# EAGLE board Mk4 Final Panel 6up 3x2 (EAGLE 9.0.1), part 17 of 18 (continued)
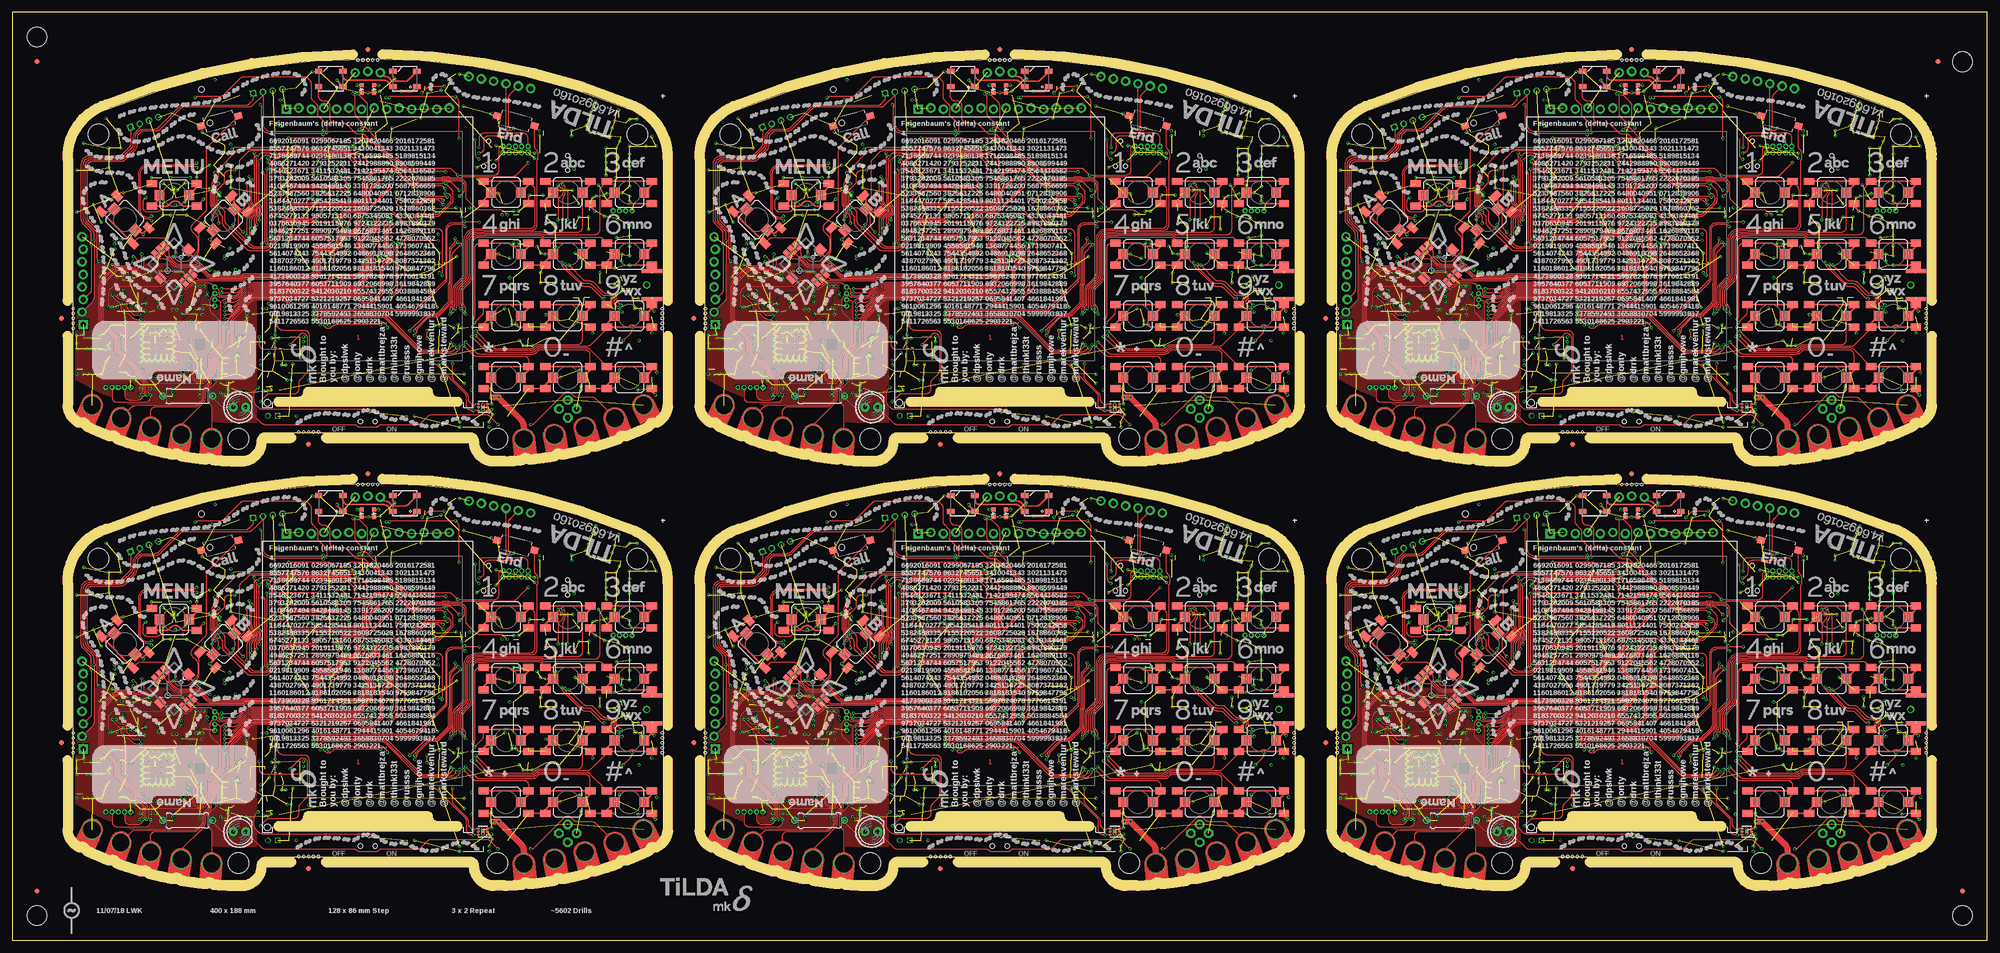
[diagram p0: board, top side]
## Tracks (layer width: path | path; a pad name or v marks a point on that pad's centre or on a via) (continued)
VBUS  (via drill 0.3)  (3 unrouted)
  Top 0.2: v89.75,84.95 76.55,84.95 v76.35,84.75
  Top 0.22: v90.5,76.5 90.5,83.79 arc45 90.21,84.49 v89.75,84.95
  3V3@2 0.2: v57.5,40.75 52.75,40.75 v51.5,42
  3V3@2 0.75: 51,42 51,43.5 54.25,46.75 v54.25,79 v53.75,79.5 | v51.5,42 51,42 | 51,42 v50.75,42 | v54.25,84.25 75.25,84.25 v75.75,84.75 v76.35,84.75
  Bottom 0.15: v89.75,84.95 89.7,85 IC7.5
  Bottom 0.2: LED6.A v57.5,40.75
  Bottom 0.22: IC1.96 78.2,73.5 arc-90 79.2,74.5 89.5,74.5 arc90 90.5,75.5 v90.5,76.5
  Bottom 0.5: TP7.TP v75.75,84.75
  Bottom 0.75: L2.2 v75.75,84.75 | v54.25,79 53.79,79.46 arc-45 53.5,80.16 53.5,83.09 arc-45 53.79,83.79 v54.25,84.25 v55,84.25
  pour Bottom (no thermals): 52.05,37.7 52.05,41.95 51.65,42.35 50.65,42.35 50.25,41.95 50.25,37.8 50.85,37.2 51.6,37.2 51.6,37.7
VBUS1  (via drill 0.3)  (3 unrouted)
  Top 0.2: v217.75,84.95 204.55,84.95 v204.35,84.75
  Top 0.22: v218.5,76.5 218.5,83.79 arc45 218.21,84.49 v217.75,84.95
  3V3@2 0.2: v185.5,40.75 180.75,40.75 v179.5,42
  3V3@2 0.75: 179,42 179,43.5 182.25,46.75 v182.25,79 v181.75,79.5 | v179.5,42 179,42 | 179,42 v178.75,42 | v182.25,84.25 203.25,84.25 v203.75,84.75 v204.35,84.75
  Bottom 0.15: v217.75,84.95 217.7,85 IC23.5
  Bottom 0.2: LED12.A v185.5,40.75
  Bottom 0.22: IC20.96 206.2,73.5 arc-90 207.2,74.5 217.5,74.5 arc90 218.5,75.5 v218.5,76.5
  Bottom 0.5: TP26.TP v203.75,84.75
  Bottom 0.75: L10.2 v203.75,84.75 | v182.25,79 181.79,79.46 arc-45 181.5,80.16 181.5,83.09 arc-45 181.79,83.79 v182.25,84.25 v183,84.25
  pour Bottom (no thermals): 180.05,37.7 180.05,41.95 179.65,42.35 178.65,42.35 178.25,41.95 178.25,37.8 178.85,37.2 179.6,37.2 179.6,37.7
VBUS2  (via drill 0.3)  (3 unrouted)
  Top 0.2: v89.75,170.95 76.55,170.95 v76.35,170.75
  Top 0.22: v90.5,162.5 90.5,169.79 arc45 90.21,170.49 v89.75,170.95
  3V3@2 0.2: v57.5,126.75 52.75,126.75 v51.5,128
  3V3@2 0.75: 51,128 51,129.5 54.25,132.75 v54.25,165 v53.75,165.5 | v51.5,128 51,128 | 51,128 v50.75,128 | v54.25,170.25 75.25,170.25 v75.75,170.75 v76.35,170.75
  Bottom 0.15: v89.75,170.95 89.7,171 IC41.5
  Bottom 0.2: LED18.A v57.5,126.75
  Bottom 0.22: IC38.96 78.2,159.5 arc-90 79.2,160.5 89.5,160.5 arc90 90.5,161.5 v90.5,162.5
  Bottom 0.5: TP45.TP v75.75,170.75
  Bottom 0.75: L19.2 v75.75,170.75 | v54.25,165 53.79,165.46 arc-45 53.5,166.16 53.5,169.09 arc-45 53.79,169.79 v54.25,170.25 v55,170.25
  pour Bottom (no thermals): 52.05,123.7 52.05,127.95 51.65,128.35 50.65,128.35 50.25,127.95 50.25,123.8 50.85,123.2 51.6,123.2 51.6,123.7
VBUS3  (via drill 0.3)  (3 unrouted)
  Top 0.2: v217.75,170.95 204.55,170.95 v204.35,170.75
  Top 0.22: v218.5,162.5 218.5,169.79 arc45 218.21,170.49 v217.75,170.95
  3V3@2 0.2: v185.5,126.75 180.75,126.75 v179.5,128
  3V3@2 0.75: 179,128 179,129.5 182.25,132.75 v182.25,165 v181.75,165.5 | v179.5,128 179,128 | 179,128 v178.75,128 | v182.25,170.25 203.25,170.25 v203.75,170.75 v204.35,170.75
  Bottom 0.15: v217.75,170.95 217.7,171 IC59.5
  Bottom 0.2: LED24.A v185.5,126.75
  Bottom 0.22: IC56.96 206.2,159.5 arc-90 207.2,160.5 217.5,160.5 arc90 218.5,161.5 v218.5,162.5
  Bottom 0.5: TP64.TP v203.75,170.75
  Bottom 0.75: L28.2 v203.75,170.75 | v182.25,165 181.79,165.46 arc-45 181.5,166.16 181.5,169.09 arc-45 181.79,169.79 v182.25,170.25 v183,170.25
  pour Bottom (no thermals): 180.05,123.7 180.05,127.95 179.65,128.35 178.65,128.35 178.25,127.95 178.25,123.8 178.85,123.2 179.6,123.2 179.6,123.7
VBUS4  (via drill 0.3)  (3 unrouted)
  Top 0.2: v345.75,84.95 332.55,84.95 v332.35,84.75
  Top 0.22: v346.5,76.5 346.5,83.79 arc45 346.21,84.49 v345.75,84.95
  3V3@2 0.2: v313.5,40.75 308.75,40.75 v307.5,42
  3V3@2 0.75: 307,42 307,43.5 310.25,46.75 v310.25,79 v309.75,79.5 | v307.5,42 307,42 | 307,42 v306.75,42 | v310.25,84.25 331.25,84.25 v331.75,84.75 v332.35,84.75
  Bottom 0.15: v345.75,84.95 345.7,85 IC77.5
  Bottom 0.2: LED30.A v313.5,40.75
  Bottom 0.22: IC74.96 334.2,73.5 arc-90 335.2,74.5 345.5,74.5 arc90 346.5,75.5 v346.5,76.5
  Bottom 0.5: TP83.TP v331.75,84.75
  Bottom 0.75: L37.2 v331.75,84.75 | v310.25,79 309.79,79.46 arc-45 309.5,80.16 309.5,83.09 arc-45 309.79,83.79 v310.25,84.25 v311,84.25
  pour Bottom (no thermals): 308.05,37.7 308.05,41.95 307.65,42.35 306.65,42.35 306.25,41.95 306.25,37.8 306.85,37.2 307.6,37.2 307.6,37.7
VBUS6  (via drill 0.3)  (3 unrouted)
  Top 0.2: v345.75,170.95 332.55,170.95 v332.35,170.75
  Top 0.22: v346.5,162.5 346.5,169.79 arc45 346.21,170.49 v345.75,170.95
  3V3@2 0.2: v313.5,126.75 308.75,126.75 v307.5,128
  3V3@2 0.75: 307,128 307,129.5 310.25,132.75 v310.25,165 v309.75,165.5 | v307.5,128 307,128 | 307,128 v306.75,128 | v310.25,170.25 331.25,170.25 v331.75,170.75 v332.35,170.75
  Bottom 0.15: v345.75,170.95 345.7,171 IC113.5
  Bottom 0.2: LED42.A v313.5,126.75
  Bottom 0.22: IC110.96 334.2,159.5 arc-90 335.2,160.5 345.5,160.5 arc90 346.5,161.5 v346.5,162.5
  Bottom 0.5: TP121.TP v331.75,170.75
  Bottom 0.75: L55.2 v331.75,170.75 | v310.25,165 309.79,165.46 arc-45 309.5,166.16 309.5,169.09 arc-45 309.79,169.79 v310.25,170.25 v311,170.25
  pour Bottom (no thermals): 308.05,123.7 308.05,127.95 307.65,128.35 306.65,128.35 306.25,127.95 306.25,123.8 306.85,123.2 307.6,123.2 307.6,123.7
VBUS_L
  Bottom 0.4: U1.VBUS arc-47 L2.1
VBUS_L1
  Bottom 0.4: U2.VBUS arc-47 L10.1
VBUS_L2
  Bottom 0.4: U7.VBUS arc-47 L19.1
VBUS_L3
  Bottom 0.4: U10.VBUS arc-47 L28.1
VBUS_L4
  Bottom 0.4: U13.VBUS arc-47 L37.1
VBUS_L6
  Bottom 0.4: U19.VBUS arc-47 L55.1
VDD_ANA  (via drill 0.3)  (3 unrouted)
  Bottom 0.2: IC15.48 34.55,38.95
  Bottom 0.25: C44.1 26.1,41.4 26.96,40.54 arc-45 27.25,39.84 IC15.36 | IC15.25 24.91,34.75 arc-45 24.21,35.04 C62.1 v24,36
  Bottom 0.4: 34.55,38.95 arc45 35.03,38.75 C61.1 v36.25,39.5 | C44.1 v25.35,41.75
  Bottom 0.5: C63.1 23.45,45.6 v22.6,45.6 | C63.1 23.5,44.85 v22.6,44.85 | C63.1 L7.1
  pour 3V3@2 (rank 2, no thermals): 36.75,39.75 36.75,39 36.25,38.5 34.5,38.5 33.75,39.5 26.5,39.5 24.5,37.5 24.5,36 24,35.5 23.75,35.5 23.5,35.75 23.5,36.5 23.75,36.75 23.75,39.5 23.25,40 22.5,40 22,40.5 22,44.3 21.7,44.6 21.7,45.5 22.2,46 22.8,46 23.25,45.55 23.25,42.25 23.5,42 25,42 25.25,42.25 27.65,42.25 29.65,40.25 36.25,40.25
VDD_ANA1  (via drill 0.3)  (3 unrouted)
  Bottom 0.2: IC29.48 162.55,38.95
  Bottom 0.25: C190.1 154.1,41.4 154.96,40.54 arc-45 155.25,39.84 IC29.36 | IC29.25 152.91,34.75 arc-45 152.21,35.04 C188.1 v152,36
  Bottom 0.4: 162.55,38.95 arc45 163.03,38.75 C191.1 v164.25,39.5 | C190.1 v153.35,41.75
  Bottom 0.5: C189.1 151.45,45.6 v150.6,45.6 | C189.1 151.5,44.85 v150.6,44.85 | C189.1 L16.1
  pour 3V3@2 (rank 2, no thermals): 164.75,39.75 164.75,39 164.25,38.5 162.5,38.5 161.75,39.5 154.5,39.5 152.5,37.5 152.5,36 152,35.5 151.75,35.5 151.5,35.75 151.5,36.5 151.75,36.75 151.75,39.5 151.25,40 150.5,40 150,40.5 150,44.3 149.7,44.6 149.7,45.5 150.2,46 150.8,46 151.25,45.55 151.25,42.25 151.5,42 153,42 153.25,42.25 155.65,42.25 157.65,40.25 164.25,40.25
VDD_ANA2  (via drill 0.3)  (3 unrouted)
  Bottom 0.2: IC47.48 34.55,124.95
  Bottom 0.25: C298.1 26.1,127.4 26.96,126.54 arc-45 27.25,125.84 IC47.36 | IC47.25 24.91,120.75 arc-45 24.21,121.04 C296.1 v24,122
  Bottom 0.4: 34.55,124.95 arc45 35.03,124.75 C299.1 v36.25,125.5 | C298.1 v25.35,127.75
  Bottom 0.5: C297.1 23.45,131.6 v22.6,131.6 | C297.1 23.5,130.85 v22.6,130.85 | C297.1 L25.1
  pour 3V3@2 (rank 2, no thermals): 36.75,125.75 36.75,125 36.25,124.5 34.5,124.5 33.75,125.5 26.5,125.5 24.5,123.5 24.5,122 24,121.5 23.75,121.5 23.5,121.75 23.5,122.5 23.75,122.75 23.75,125.5 23.25,126 22.5,126 22,126.5 22,130.3 21.7,130.6 21.7,131.5 22.2,132 22.8,132 23.25,131.55 23.25,128.25 23.5,128 25,128 25.25,128.25 27.65,128.25 29.65,126.25 36.25,126.25
VDD_ANA3  (via drill 0.3)  (3 unrouted)
  Bottom 0.2: IC65.48 162.55,124.95
  Bottom 0.25: C406.1 154.1,127.4 154.96,126.54 arc-45 155.25,125.84 IC65.36 | IC65.25 152.91,120.75 arc-45 152.21,121.04 C404.1 v152,122
  Bottom 0.4: 162.55,124.95 arc45 163.03,124.75 C407.1 v164.25,125.5 | C406.1 v153.35,127.75
  Bottom 0.5: C405.1 151.45,131.6 v150.6,131.6 | C405.1 151.5,130.85 v150.6,130.85 | C405.1 L34.1
  pour 3V3@2 (rank 2, no thermals): 164.75,125.75 164.75,125 164.25,124.5 162.5,124.5 161.75,125.5 154.5,125.5 152.5,123.5 152.5,122 152,121.5 151.75,121.5 151.5,121.75 151.5,122.5 151.75,122.75 151.75,125.5 151.25,126 150.5,126 150,126.5 150,130.3 149.7,130.6 149.7,131.5 150.2,132 150.8,132 151.25,131.55 151.25,128.25 151.5,128 153,128 153.25,128.25 155.65,128.25 157.65,126.25 164.25,126.25
VDD_ANA4  (via drill 0.3)  (3 unrouted)
  Bottom 0.2: IC83.48 290.55,38.95
  Bottom 0.25: C514.1 282.1,41.4 282.96,40.54 arc-45 283.25,39.84 IC83.36 | IC83.25 280.91,34.75 arc-45 280.21,35.04 C512.1 v280,36
  Bottom 0.4: 290.55,38.95 arc45 291.03,38.75 C515.1 v292.25,39.5 | C514.1 v281.35,41.75
  Bottom 0.5: C513.1 279.45,45.6 v278.6,45.6 | C513.1 279.5,44.85 v278.6,44.85 | C513.1 L43.1
  pour 3V3@2 (rank 2, no thermals): 292.75,39.75 292.75,39 292.25,38.5 290.5,38.5 289.75,39.5 282.5,39.5 280.5,37.5 280.5,36 280,35.5 279.75,35.5 279.5,35.75 279.5,36.5 279.75,36.75 279.75,39.5 279.25,40 278.5,40 278,40.5 278,44.3 277.7,44.6 277.7,45.5 278.2,46 278.8,46 279.25,45.55 279.25,42.25 279.5,42 281,42 281.25,42.25 283.65,42.25 285.65,40.25 292.25,40.25
VDD_ANA6  (via drill 0.3)  (3 unrouted)
  Bottom 0.2: IC119.48 290.55,124.95
  Bottom 0.25: C730.1 282.1,127.4 282.96,126.54 arc-45 283.25,125.84 IC119.36 | IC119.25 280.91,120.75 arc-45 280.21,121.04 C728.1 v280,122
  Bottom 0.4: 290.55,124.95 arc45 291.03,124.75 C731.1 v292.25,125.5 | C730.1 v281.35,127.75
  Bottom 0.5: C729.1 279.45,131.6 v278.6,131.6 | C729.1 279.5,130.85 v278.6,130.85 | C729.1 L61.1
  pour 3V3@2 (rank 2, no thermals): 292.75,125.75 292.75,125 292.25,124.5 290.5,124.5 289.75,125.5 282.5,125.5 280.5,123.5 280.5,122 280,121.5 279.75,121.5 279.5,121.75 279.5,122.5 279.75,122.75 279.75,125.5 279.25,126 278.5,126 278,126.5 278,130.3 277.7,130.6 277.7,131.5 278.2,132 278.8,132 279.25,131.55 279.25,128.25 279.5,128 281,128 281.25,128.25 283.65,128.25 285.65,126.25 292.25,126.25
VDD_DIG_CC  (via drill 0.3)
  3V3@2 0.5: v29,28.25 29,29 29.5,29.5 33.5,29.5 34.75,30.75 v35.75,30.75
  3V3@2 1: v35.75,30.75 36.25,30.75 37.3,31.8 37.3,32.6 37.8,33.1 39.17,33.1 39.55,33.48 39.55,37.45 39.5,37.5 v39.5,44.5 v39.5,45.25
  Bottom 0.25: C96.1 v35.75,30.75 35.23,31.27 arc-45 35.17,31.41 35.17,31.86 arc45 35.12,32 35.06,32.06 arc-45 35,32.2 35,33.75 arc90 34,34.75 IC15.56 | IC15.9 29.25,28.85 arc-45 v29,28.25 C97.1
  Bottom 0.4: C87.1 38.25,45 38.05,45.2 36.1,45.2 L9.1 | v39.5,45.25 38.6,45.25 C87.1 | v39.5,44.5 38.65,44.5 C87.1
VDD_DIG_CC1  (via drill 0.3)
  3V3@2 0.5: v157,28.25 157,29 157.5,29.5 161.5,29.5 162.75,30.75 v163.75,30.75
  3V3@2 1: v163.75,30.75 164.25,30.75 165.3,31.8 165.3,32.6 165.8,33.1 167.17,33.1 167.55,33.48 167.55,37.45 167.5,37.5 v167.5,44.5 v167.5,45.25
  Bottom 0.25: C204.1 v163.75,30.75 163.23,31.27 arc-45 163.18,31.41 163.18,31.86 arc45 163.12,32 163.06,32.06 arc-45 163,32.2 163,33.75 arc90 162,34.75 IC29.56 | IC29.9 157.25,28.85 arc-45 v157,28.25 C205.1
  Bottom 0.4: C195.1 166.25,45 166.05,45.2 164.1,45.2 L18.1 | v167.5,45.25 166.6,45.25 C195.1 | v167.5,44.5 166.65,44.5 C195.1
VDD_DIG_CC2  (via drill 0.3)
  3V3@2 0.5: v29,114.25 29,115 29.5,115.5 33.5,115.5 34.75,116.75 v35.75,116.75
  3V3@2 1: v35.75,116.75 36.25,116.75 37.3,117.8 37.3,118.6 37.8,119.1 39.17,119.1 39.55,119.48 39.55,123.45 39.5,123.5 v39.5,130.5 v39.5,131.25
  Bottom 0.25: C312.1 v35.75,116.75 35.23,117.27 arc-45 35.17,117.41 35.17,117.86 arc45 35.12,118 35.06,118.06 arc-45 35,118.2 35,119.75 arc90 34,120.75 IC47.56 | IC47.9 29.25,114.85 arc-45 v29,114.25 C313.1
  Bottom 0.4: C303.1 38.25,131 38.05,131.2 36.1,131.2 L27.1 | v39.5,131.25 38.6,131.25 C303.1 | v39.5,130.5 38.65,130.5 C303.1
VDD_DIG_CC3  (via drill 0.3)
  3V3@2 0.5: v157,114.25 157,115 157.5,115.5 161.5,115.5 162.75,116.75 v163.75,116.75
  3V3@2 1: v163.75,116.75 164.25,116.75 165.3,117.8 165.3,118.6 165.8,119.1 167.17,119.1 167.55,119.48 167.55,123.45 167.5,123.5 v167.5,130.5 v167.5,131.25
  Bottom 0.25: C420.1 v163.75,116.75 163.23,117.27 arc-45 163.18,117.41 163.18,117.86 arc45 163.12,118 163.06,118.06 arc-45 163,118.2 163,119.75 arc90 162,120.75 IC65.56 | IC65.9 157.25,114.85 arc-45 v157,114.25 C421.1
  Bottom 0.4: C411.1 166.25,131 166.05,131.2 164.1,131.2 L36.1 | v167.5,131.25 166.6,131.25 C411.1 | v167.5,130.5 166.65,130.5 C411.1
VDD_DIG_CC4  (via drill 0.3)
  3V3@2 0.5: v285,28.25 285,29 285.5,29.5 289.5,29.5 290.75,30.75 v291.75,30.75
  3V3@2 1: v291.75,30.75 292.25,30.75 293.3,31.8 293.3,32.6 293.8,33.1 295.17,33.1 295.55,33.48 295.55,37.45 295.5,37.5 v295.5,44.5 v295.5,45.25
  Bottom 0.25: C528.1 v291.75,30.75 291.23,31.27 arc-45 291.18,31.41 291.18,31.86 arc45 291.12,32 291.06,32.06 arc-45 291,32.2 291,33.75 arc90 290,34.75 IC83.56 | IC83.9 285.25,28.85 arc-45 v285,28.25 C529.1
  Bottom 0.4: C519.1 294.25,45 294.05,45.2 292.1,45.2 L45.1 | v295.5,45.25 294.6,45.25 C519.1 | v295.5,44.5 294.65,44.5 C519.1
VDD_DIG_CC6  (via drill 0.3)
  3V3@2 0.5: v285,114.25 285,115 285.5,115.5 289.5,115.5 290.75,116.75 v291.75,116.75
  3V3@2 1: v291.75,116.75 292.25,116.75 293.3,117.8 293.3,118.6 293.8,119.1 295.17,119.1 295.55,119.48 295.55,123.45 295.5,123.5 v295.5,130.5 v295.5,131.25
  Bottom 0.25: C744.1 v291.75,116.75 291.23,117.27 arc-45 291.18,117.41 291.18,117.86 arc45 291.12,118 291.06,118.06 arc-45 291,118.2 291,119.75 arc90 290,120.75 IC119.56 | IC119.9 285.25,114.85 arc-45 v285,114.25 C745.1
  Bottom 0.4: C735.1 294.25,131 294.05,131.2 292.1,131.2 L63.1 | v295.5,131.25 294.6,131.25 C735.1 | v295.5,130.5 294.65,130.5 C735.1
VDD_EXT
  Bottom 0.2: R29.1 118,44.5 arc90 117,45.5 111.3,45.5 arc90 110.3,44.5 IC5.40
VDD_EXT1
  Bottom 0.2: R111.1 246,44.5 arc90 245,45.5 239.3,45.5 arc90 238.3,44.5 IC21.40
VDD_EXT2
  Bottom 0.2: R189.1 118,130.5 arc90 117,131.5 111.3,131.5 arc90 110.3,130.5 IC39.40
VDD_EXT3
  Bottom 0.2: R267.1 246,130.5 arc90 245,131.5 239.3,131.5 arc90 238.3,130.5 IC57.40
VDD_EXT4
  Bottom 0.2: R345.1 374,44.5 arc90 373,45.5 367.3,45.5 arc90 366.3,44.5 IC75.40
VDD_EXT6
  Bottom 0.2: R501.1 374,130.5 arc90 373,131.5 367.3,131.5 arc90 366.3,130.5 IC111.40
VDD_PA  (via drill 0.3)  (1 unrouted)
  Bottom 0.25: IC15.42 30.25,40 arc-45 30.54,40.71 31.16,41.32 arc45 31.45,42.03 31.45,43.24 arc-45 31.6,43.6 31.88,43.88 C85.1 | IC15.33 25.65,39.05
  Bottom 0.4: C85.1 C84.1 | C84.1 33.77,44.4 v34.25,44.4 | C84.1 33.73,43.4 v34.25,43.4 | C86.1 24.96,41.17 arc-45 25.25,40.46 25.25,39.86 arc45 25.54,39.16 25.65,39.05 | 24.7,41.95 24.7,42.08 | C86.1 24.7,42.08 | 24.7,42.08 v24.7,42.75 | v23.95,42.75 23.95,42.59 arc45 24.24,41.88 C86.1
  pour 3V3@2 (no thermals): 25,43.5 25,42.5 24.75,42.25 23.75,42.25 23.5,42.5 23.5,44.5 25,46 30.5,46 31.5,45 34.25,45 34.75,44.5 34.75,43.5 34.25,43 31,43 30,44 25.5,44
VDD_PA1  (via drill 0.3)  (1 unrouted)
  Bottom 0.25: IC29.42 158.25,40 arc-45 158.54,40.71 159.16,41.32 arc45 159.45,42.03 159.45,43.24 arc-45 159.6,43.6 159.88,43.88 C194.1 | IC29.33 153.65,39.05
  Bottom 0.4: C194.1 C193.1 | C193.1 161.78,44.4 v162.25,44.4 | C193.1 161.72,43.4 v162.25,43.4 | C192.1 152.96,41.17 arc-45 153.25,40.46 153.25,39.86 arc45 153.54,39.16 153.65,39.05 | 152.7,41.95 152.7,42.08 | C192.1 152.7,42.08 | 152.7,42.08 v152.7,42.75 | v151.95,42.75 151.95,42.59 arc45 152.24,41.88 C192.1
  pour 3V3@2 (no thermals): 153,43.5 153,42.5 152.75,42.25 151.75,42.25 151.5,42.5 151.5,44.5 153,46 158.5,46 159.5,45 162.25,45 162.75,44.5 162.75,43.5 162.25,43 159,43 158,44 153.5,44
VDD_PA2  (via drill 0.3)  (1 unrouted)
  Bottom 0.25: IC47.42 30.25,126 arc-45 30.54,126.71 31.16,127.32 arc45 31.45,128.03 31.45,129.24 arc-45 31.6,129.6 31.88,129.88 C302.1 | IC47.33 25.65,125.05
  Bottom 0.4: C302.1 C301.1 | C301.1 33.77,130.4 v34.25,130.4 | C301.1 33.73,129.4 v34.25,129.4 | C300.1 24.96,127.17 arc-45 25.25,126.46 25.25,125.86 arc45 25.54,125.16 25.65,125.05 | 24.7,127.95 24.7,128.07 | C300.1 24.7,128.07 | 24.7,128.07 v24.7,128.75 | v23.95,128.75 23.95,128.59 arc45 24.24,127.88 C300.1
  pour 3V3@2 (no thermals): 25,129.5 25,128.5 24.75,128.25 23.75,128.25 23.5,128.5 23.5,130.5 25,132 30.5,132 31.5,131 34.25,131 34.75,130.5 34.75,129.5 34.25,129 31,129 30,130 25.5,130
VDD_PA3  (via drill 0.3)  (1 unrouted)
  Bottom 0.25: IC65.42 158.25,126 arc-45 158.54,126.71 159.16,127.32 arc45 159.45,128.03 159.45,129.24 arc-45 159.6,129.6 159.88,129.88 C410.1 | IC65.33 153.65,125.05
  Bottom 0.4: C410.1 C409.1 | C409.1 161.78,130.4 v162.25,130.4 | C409.1 161.72,129.4 v162.25,129.4 | C408.1 152.96,127.17 arc-45 153.25,126.46 153.25,125.86 arc45 153.54,125.16 153.65,125.05 | 152.7,127.95 152.7,128.07 | C408.1 152.7,128.07 | 152.7,128.07 v152.7,128.75 | v151.95,128.75 151.95,128.59 arc45 152.24,127.88 C408.1
  pour 3V3@2 (no thermals): 153,129.5 153,128.5 152.75,128.25 151.75,128.25 151.5,128.5 151.5,130.5 153,132 158.5,132 159.5,131 162.25,131 162.75,130.5 162.75,129.5 162.25,129 159,129 158,130 153.5,130
VDD_PA4  (via drill 0.3)  (1 unrouted)
  Bottom 0.25: IC83.42 286.25,40 arc-45 286.54,40.71 287.16,41.32 arc45 287.45,42.03 287.45,43.24 arc-45 287.6,43.6 287.88,43.88 C518.1 | IC83.33 281.65,39.05
  Bottom 0.4: C518.1 C517.1 | C517.1 289.77,44.4 v290.25,44.4 | C517.1 289.73,43.4 v290.25,43.4 | C516.1 280.96,41.17 arc-45 281.25,40.46 281.25,39.86 arc45 281.54,39.16 281.65,39.05 | 280.7,41.95 280.7,42.08 | C516.1 280.7,42.08 | 280.7,42.08 v280.7,42.75 | v279.95,42.75 279.95,42.59 arc45 280.24,41.88 C516.1
  pour 3V3@2 (no thermals): 281,43.5 281,42.5 280.75,42.25 279.75,42.25 279.5,42.5 279.5,44.5 281,46 286.5,46 287.5,45 290.25,45 290.75,44.5 290.75,43.5 290.25,43 287,43 286,44 281.5,44
VDD_PA6  (via drill 0.3)  (1 unrouted)
  Bottom 0.25: IC119.42 286.25,126 arc-45 286.54,126.71 287.16,127.32 arc45 287.45,128.03 287.45,129.24 arc-45 287.6,129.6 287.88,129.88 C734.1 | IC119.33 281.65,125.05
  Bottom 0.4: C734.1 C733.1 | C733.1 289.77,130.4 v290.25,130.4 | C733.1 289.73,129.4 v290.25,129.4 | C732.1 280.96,127.17 arc-45 281.25,126.46 281.25,125.86 arc45 281.54,125.16 281.65,125.05 | 280.7,127.95 280.7,128.07 | C732.1 280.7,128.07 | 280.7,128.07 v280.7,128.75 | v279.95,128.75 279.95,128.59 arc45 280.24,127.88 C732.1
  pour 3V3@2 (no thermals): 281,129.5 281,128.5 280.75,128.25 279.75,128.25 279.5,128.5 279.5,130.5 281,132 286.5,132 287.5,131 290.25,131 290.75,130.5 290.75,129.5 290.25,129 287,129 286,130 281.5,130
VDD_PLL
  Bottom 0.25: IC15.24 C94.1
VDD_PLL1
  Bottom 0.25: IC29.24 C202.1
VDD_PLL2
  Bottom 0.25: IC47.24 C310.1
VDD_PLL3
  Bottom 0.25: IC65.24 C418.1
VDD_PLL4
  Bottom 0.25: IC83.24 C526.1
VDD_PLL6
  Bottom 0.25: IC119.24 C742.1
VDD_RAM
  Bottom 0.2: IC15.49 35.34,38.25 arc-45 36.04,37.96 C95.1
VDD_RAM1
  Bottom 0.2: IC29.49 163.34,38.25 arc-45 164.04,37.96 C203.1
VDD_RAM2
  Bottom 0.2: IC47.49 35.34,124.25 arc-45 36.04,123.96 C311.1
VDD_RAM3
  Bottom 0.2: IC65.49 163.34,124.25 arc-45 164.04,123.96 C419.1
VDD_RAM4
  Bottom 0.2: IC83.49 291.34,38.25 arc-45 292.04,37.96 C527.1
VDD_RAM6
  Bottom 0.2: IC119.49 291.34,124.25 arc-45 292.04,123.96 C743.1
VDDC
  Bottom 0.2: 78.8,64 IC1.115 80.6,64 | 74.6,71.8 IC1.87 74.6,73.6
  Bottom 0.25: 78.8,64 77.6,64 arc-90 74.6,67 74.6,71.8 | 74.6,73.6 74.6,73.65 C8.2 | 80.6,64 81.62,64 C6.2 C7.2
VDDC1
  Bottom 0.2: 206.8,64 IC20.115 208.6,64 | 202.6,71.8 IC20.87 202.6,73.6
  Bottom 0.25: 206.8,64 205.6,64 arc-90 202.6,67 202.6,71.8 | 202.6,73.6 202.6,73.65 C118.2 | 208.6,64 209.62,64 C116.2 C117.2
VDDC2
  Bottom 0.2: 78.8,150 IC38.115 80.6,150 | 74.6,157.8 IC38.87 74.6,159.6
  Bottom 0.25: 78.8,150 77.6,150 arc-90 74.6,153 74.6,157.8 | 74.6,159.6 74.6,159.65 C226.2 | 80.6,150 81.62,150 C224.2 C225.2
VDDC3
  Bottom 0.2: 206.8,150 IC56.115 208.6,150 | 202.6,157.8 IC56.87 202.6,159.6
  Bottom 0.25: 206.8,150 205.6,150 arc-90 202.6,153 202.6,157.8 | 202.6,159.6 202.6,159.65 C334.2 | 208.6,150 209.62,150 C332.2 C333.2
VDDC4
  Bottom 0.2: 334.8,64 IC74.115 336.6,64 | 330.6,71.8 IC74.87 330.6,73.6
  Bottom 0.25: 334.8,64 333.6,64 arc-90 330.6,67 330.6,71.8 | 330.6,73.6 330.6,73.65 C442.2 | 336.6,64 337.62,64 C440.2 C441.2
VDDC6
  Bottom 0.2: 334.8,150 IC110.115 336.6,150 | 330.6,157.8 IC110.87 330.6,159.6
  Bottom 0.25: 334.8,150 333.6,150 arc-90 330.6,153 330.6,157.8 | 330.6,159.6 330.6,159.65 C658.2 | 336.6,150 337.62,150 C656.2 C657.2
WFIF_ANT_L
  Bottom 0.4: L6.2 C77.2 14.3,34.8 ANT1.1
WFIF_ANT_L1
  Bottom 0.4: L15.2 C178.2 142.3,34.8 ANT3.1
WFIF_ANT_L2
  Bottom 0.4: L24.2 C286.2 14.3,120.8 ANT5.1
WFIF_ANT_L3
  Bottom 0.4: L33.2 C394.2 142.3,120.8 ANT7.1
WFIF_ANT_L4
  Bottom 0.4: L42.2 C502.2 270.3,34.8 ANT9.1
WFIF_ANT_L6
  Bottom 0.4: L60.2 C718.2 270.3,120.8 ANT13.1
WIFI_ANT
  Bottom 0.35: FL1.OUT 22.45,37.75
  Bottom 0.4: L6.1 C76.2 18.09,35 arc45 18.79,35.29 19.44,35.94 arc45 19.5,36.09 arc-45 19.79,36.79 20.46,37.46 arc-45 21.16,37.75 22.45,37.75
WIFI_ANT1
  Bottom 0.35: FL2.OUT 150.45,37.75
  Bottom 0.4: L15.1 C177.2 146.09,35 arc45 146.79,35.29 147.44,35.94 arc45 147.5,36.09 arc-45 147.79,36.79 148.46,37.46 arc-45 149.16,37.75 150.45,37.75
WIFI_ANT2
  Bottom 0.35: FL3.OUT 22.45,123.75
  Bottom 0.4: L24.1 C285.2 18.09,121 arc45 18.79,121.29 19.44,121.94 arc45 19.5,122.09 arc-45 19.79,122.79 20.46,123.46 arc-45 21.16,123.75 22.45,123.75
WIFI_ANT3
  Bottom 0.35: FL4.OUT 150.45,123.75
  Bottom 0.4: L33.1 C393.2 146.09,121 arc45 146.79,121.29 147.44,121.94 arc45 147.5,122.09 arc-45 147.79,122.79 148.46,123.46 arc-45 149.16,123.75 150.45,123.75
WIFI_ANT4
  Bottom 0.35: FL5.OUT 278.45,37.75
  Bottom 0.4: L42.1 C501.2 274.09,35 arc45 274.79,35.29 275.44,35.94 arc45 275.5,36.09 arc-45 275.79,36.79 276.46,37.46 arc-45 277.16,37.75 278.45,37.75
WIFI_ANT6
  Bottom 0.35: FL7.OUT 278.45,123.75
  Bottom 0.4: L60.1 C717.2 274.09,121 arc45 274.79,121.29 275.44,121.94 arc45 275.5,122.09 arc-45 275.79,122.79 276.46,123.46 arc-45 277.16,123.75 278.45,123.75
WIFI_ANT_F
  Bottom 0.2: IC15.31 24.65,37.75
  Bottom 0.35: FL1.IN 23.52,37.75
  Bottom 0.4: 24.65,37.75 23.52,37.75
WIFI_ANT_F1
  Bottom 0.2: IC29.31 152.65,37.75
  Bottom 0.35: FL2.IN 151.53,37.75
  Bottom 0.4: 152.65,37.75 151.53,37.75
WIFI_ANT_F2
  Bottom 0.2: IC47.31 24.65,123.75
  Bottom 0.35: FL3.IN 23.52,123.75
  Bottom 0.4: 24.65,123.75 23.52,123.75
WIFI_ANT_F3
  Bottom 0.2: IC65.31 152.65,123.75
  Bottom 0.35: FL4.IN 151.53,123.75
  Bottom 0.4: 152.65,123.75 151.53,123.75
WIFI_ANT_F4
  Bottom 0.2: IC83.31 280.65,37.75
  Bottom 0.35: FL5.IN 279.52,37.75
  Bottom 0.4: 280.65,37.75 279.52,37.75
WIFI_ANT_F6
  Bottom 0.2: IC119.31 280.65,123.75
  Bottom 0.35: FL7.IN 279.52,123.75
  Bottom 0.4: 280.65,123.75 279.52,123.75
WS2812_OUT
  Top 0.3: LED2.2 80.14,88.29 arc-45 79.44,88 77.41,88 arc-45 76.71,88.29 76.29,88.71 arc45 75.59,89 arc-45 75.12,89.19 JP2.3
WS2812_OUT1
  Top 0.3: LED8.2 208.14,88.29 arc-45 207.44,88 205.41,88 arc-45 204.71,88.29 204.29,88.71 arc45 203.59,89 arc-45 203.12,89.19 JP11.3
WS2812_OUT2
  Top 0.3: LED14.2 80.14,174.29 arc-45 79.44,174 77.41,174 arc-45 76.71,174.29 76.29,174.71 arc45 75.59,175 arc-45 75.12,175.19 JP20.3
WS2812_OUT3
  Top 0.3: LED20.2 208.14,174.29 arc-45 207.44,174 205.41,174 arc-45 204.71,174.29 204.29,174.71 arc45 203.59,175 arc-45 203.12,175.19 JP29.3
WS2812_OUT4
  Top 0.3: LED26.2 336.14,88.29 arc-45 335.44,88 333.41,88 arc-45 332.71,88.29 332.29,88.71 arc45 331.59,89 arc-45 331.12,89.19 JP38.3
WS2812_OUT6
  Top 0.3: LED38.2 336.14,174.29 arc-45 335.44,174 333.41,174 arc-45 332.71,174.29 332.29,174.71 arc45 331.59,175 arc-45 331.12,175.19 JP56.3
WS28212_1
  Top 0.3: LED2.4 75.99,87.96 arc45 75.29,88.25 67.95,88.25 arc-90 66.95,89.25 LED1.2
WS28212_2
  Top 0.3: LED8.4 203.99,87.96 arc45 203.29,88.25 195.95,88.25 arc-90 194.95,89.25 LED7.2
WS28212_3
  Top 0.3: LED14.4 75.99,173.96 arc45 75.29,174.25 67.95,174.25 arc-90 66.95,175.25 LED13.2
WS28212_4
  Top 0.3: LED20.4 203.99,173.96 arc45 203.29,174.25 195.95,174.25 arc-90 194.95,175.25 LED19.2
WS28212_5
  Top 0.3: LED26.4 331.99,87.96 arc45 331.29,88.25 323.95,88.25 arc-90 322.95,89.25 LED25.2
WS28212_7
  Top 0.3: LED38.4 331.99,173.96 arc45 331.29,174.25 323.95,174.25 arc-90 322.95,175.25 LED37.2
XOSC0
  Bottom 0.15: IC1.66 66.2,74.7 C18.2 65.9,75.1 arc90 65.4,75.6 65.35,75.6 arc-90 64.85,76.1 X1.P$1
XOSC1
  Bottom 0.15: IC1.67 66.6,74.7 C19.2 66.9,75.1 arc-90 67.4,75.6 67.45,75.6 arc90 67.95,76.1 X1.P$2
XOSC2
  Bottom 0.15: IC20.66 194.2,74.7 C128.2 193.9,75.1 arc90 193.4,75.6 193.35,75.6 arc-90 192.85,76.1 X5.P$1
XOSC3
  Bottom 0.15: IC20.67 194.6,74.7 C129.2 194.9,75.1 arc-90 195.4,75.6 195.45,75.6 arc90 195.95,76.1 X5.P$2
XOSC4
  Bottom 0.15: IC38.66 66.2,160.7 C236.2 65.9,161.1 arc90 65.4,161.6 65.35,161.6 arc-90 64.85,162.1 X9.P$1
XOSC5
  Bottom 0.15: IC38.67 66.6,160.7 C237.2 66.9,161.1 arc-90 67.4,161.6 67.45,161.6 arc90 67.95,162.1 X9.P$2
XOSC6
  Bottom 0.15: IC56.66 194.2,160.7 C344.2 193.9,161.1 arc90 193.4,161.6 193.35,161.6 arc-90 192.85,162.1 X13.P$1
XOSC7
  Bottom 0.15: IC56.67 194.6,160.7 C345.2 194.9,161.1 arc-90 195.4,161.6 195.45,161.6 arc90 195.95,162.1 X13.P$2
XOSC8
  Bottom 0.15: IC74.66 322.2,74.7 C452.2 321.9,75.1 arc90 321.4,75.6 321.35,75.6 arc-90 320.85,76.1 X17.P$1
XOSC9
  Bottom 0.15: IC74.67 322.6,74.7 C453.2 322.9,75.1 arc-90 323.4,75.6 323.45,75.6 arc90 323.95,76.1 X17.P$2
XOSC12
  Bottom 0.15: IC110.66 322.2,160.7 C668.2 321.9,161.1 arc90 321.4,161.6 321.35,161.6 arc-90 320.85,162.1 X25.P$1
XOSC13
  Bottom 0.15: IC110.67 322.6,160.7 C669.2 322.9,161.1 arc-90 323.4,161.6 323.45,161.6 arc90 323.95,162.1 X25.P$2